# Altium PCB LPCB235R0.PcbDoc (part 2 of 7) (continued)
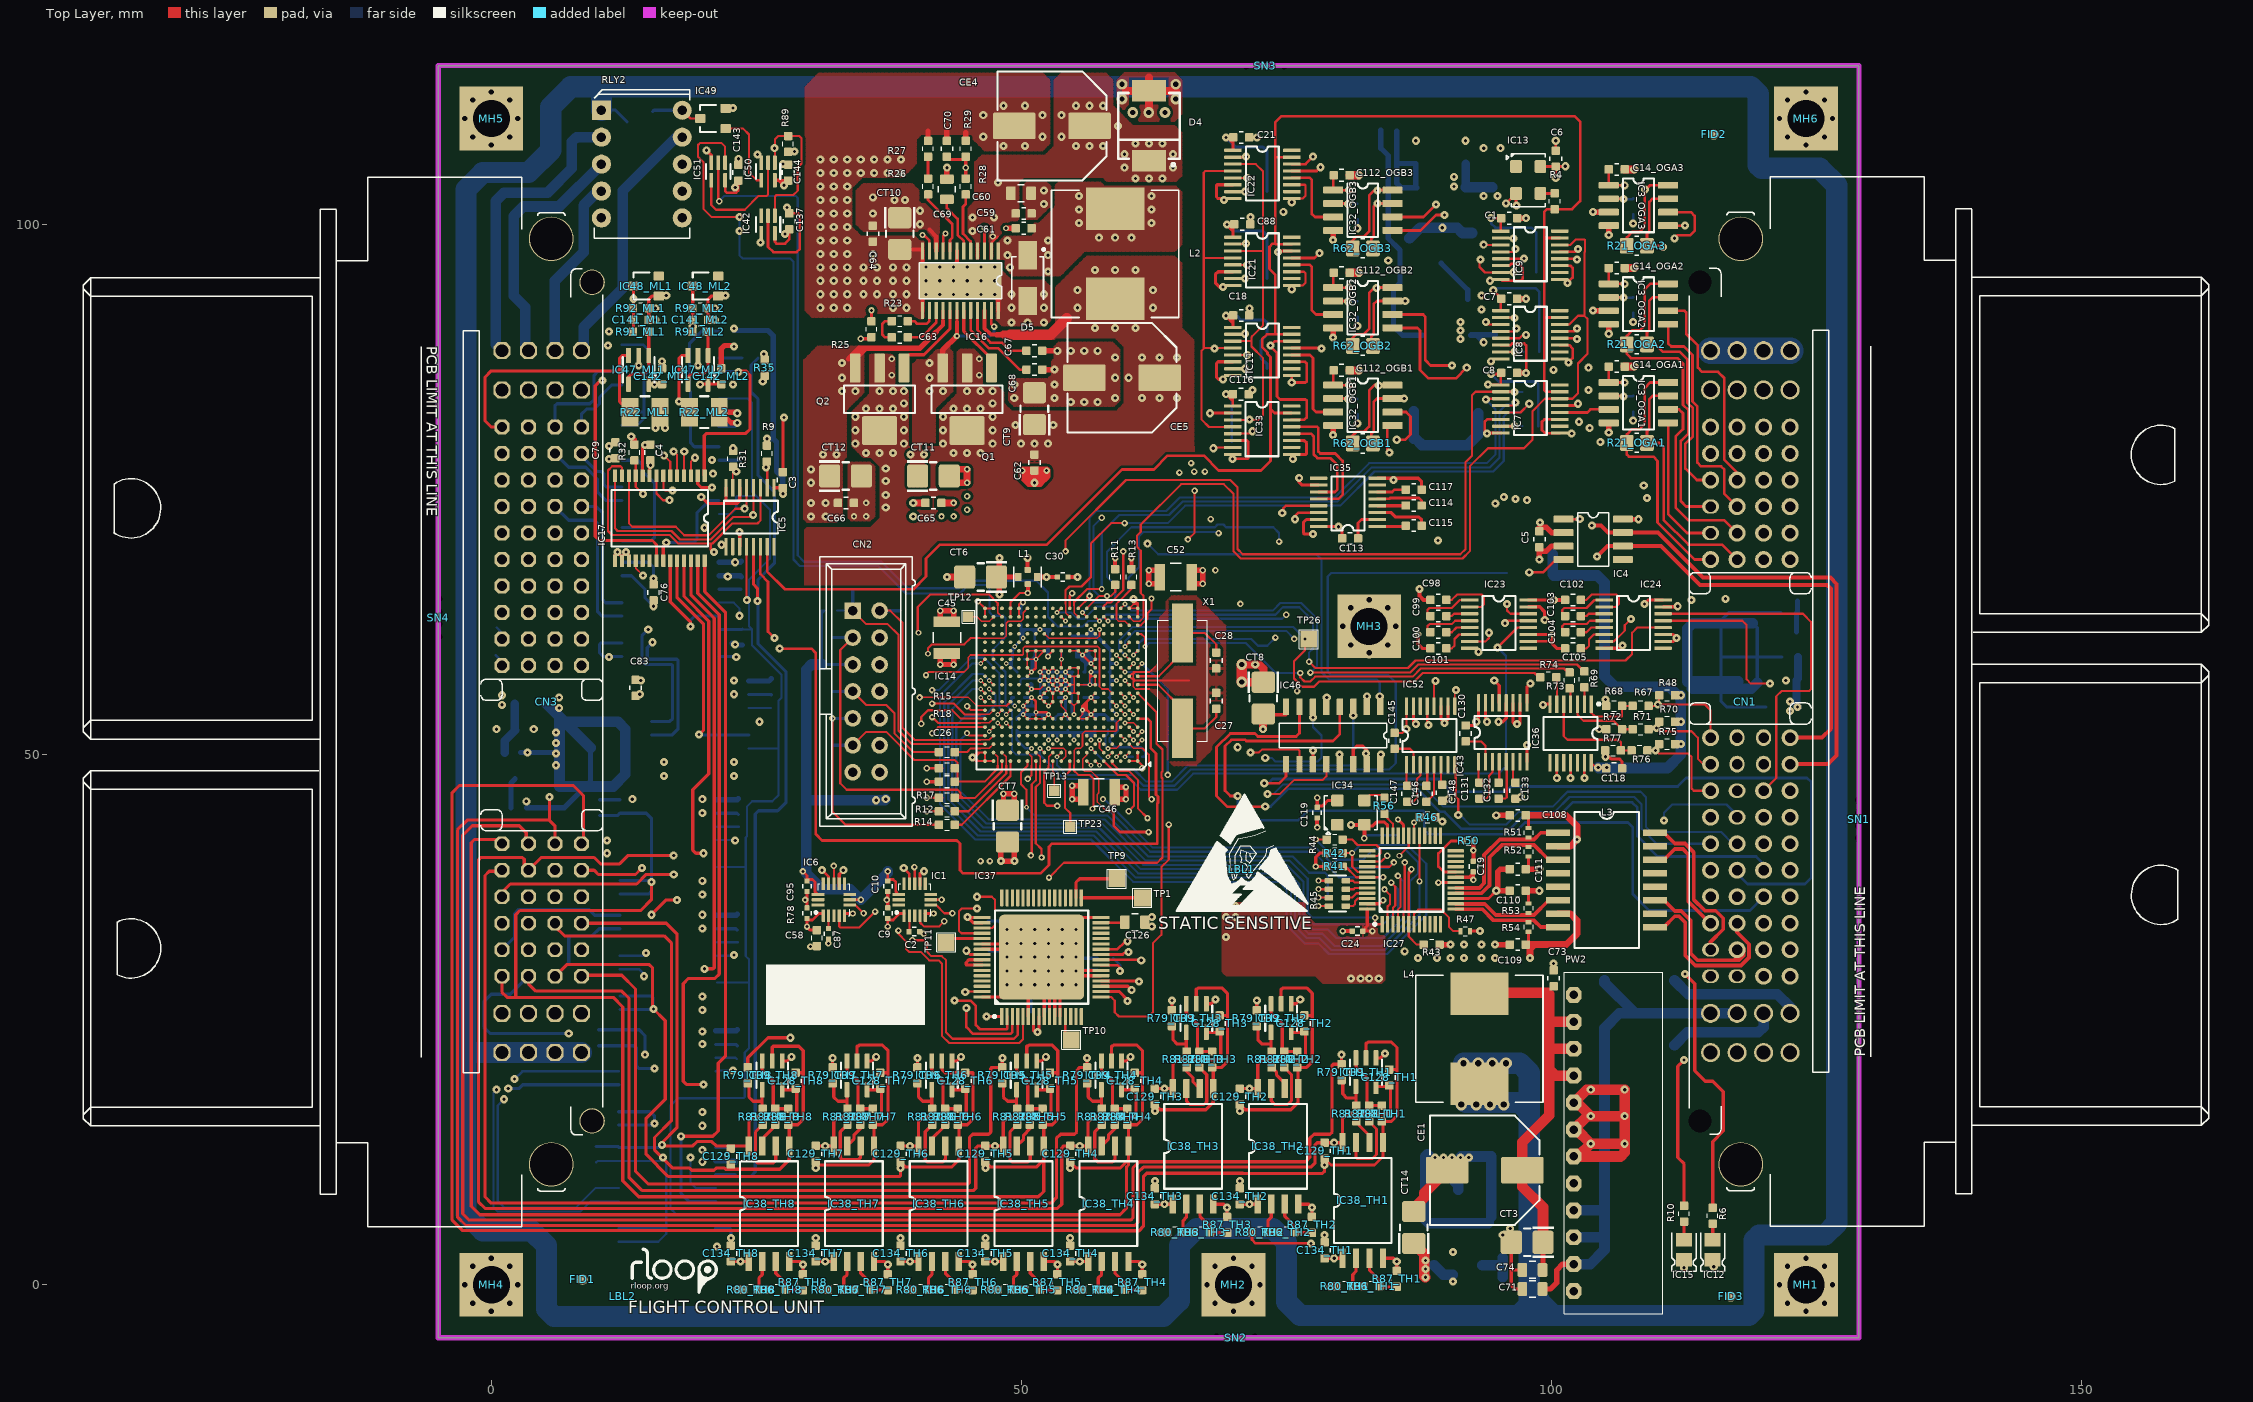
[diagram p0: Top Layer view]
## Footprints (in the part's own frame and the unit in brackets; to place one, negate y for a bottom-side part, rotate by r counter-clockwise, add the part's x,y. Pads: shape width x height; smd on the part's side, far side on the other; paste and mask are expansions set on the pad) (continued)
  silkscreen extent -8,-8.45 8,8
LFP058__F-QFP7X7-G48 [mm] "48Pin 7x7mm QFP"
  rrect25% 0.3x1.55 smd paste-0.015: 1(-2.75,-4.175) 2(-2.25,-4.175) 3(-1.75,-4.175) 4(-1.25,-4.175) 5(-0.75,-4.175) 6(-0.25,-4.175) 7(0.25,-4.175) 8(0.75,-4.175) 9(1.25,-4.175) 10(1.75,-4.175) 11(2.25,-4.175) 12(2.75,-4.175) 25(2.75,4.175) 26(2.25,4.175) 27(1.75,4.175) 28(1.25,4.175) 29(0.75,4.175) 30(0.25,4.175) 31(-0.25,4.175) 32(-0.75,4.175) 33(-1.25,4.175) 34(-1.75,4.175) 35(-2.25,4.175) 36(-2.75,4.175)
  rrect25% 1.55x0.3 smd paste-0.015: 13(4.175,-2.75) 14(4.175,-2.25) 15(4.175,-1.75) 16(4.175,-1.25) 17(4.175,-0.75) 18(4.175,-0.25) 19(4.175,0.25) 20(4.175,0.75) 21(4.175,1.25) 22(4.175,1.75) 23(4.175,2.25) 24(4.175,2.75) 37(-4.175,2.75) 38(-4.175,2.25) 39(-4.175,1.75) 40(-4.175,1.25) 41(-4.175,0.75) 42(-4.175,0.25) 43(-4.175,-0.25) 44(-4.175,-0.75) 45(-4.175,-1.25) 46(-4.175,-1.75) 47(-4.175,-2.25) 48(-4.175,-2.75)
  silkscreen extent -3.57,-4.3 3,3
LFP065__RESPACK4-0603 [mm]
  rrect25% 0.5x0.8 smd paste-0.05: 1(-1.2,-0.8) 2(-0.4,-0.8) 3(0.4,-0.8) 4(1.2,-0.8) 5(1.2,0.8) 6(0.4,0.8) 7(-0.4,0.8) 8(-1.2,0.8)
  silkscreen extent -1.7,-0.8 1.7,0.8
LFP068__SO-G16/G6.9#1 [mm] "16Pin SO"
  rrect25% 0.6x2.25 smd paste-0.05: 1(-4.445,-4.575) 2(-3.175,-4.575) 3(-1.905,-4.575) 4(-0.635,-4.575) 5(0.635,-4.575) 6(1.905,-4.575) 7(3.175,-4.575) 8(4.445,-4.575) 9(4.445,4.575) 10(3.175,4.575) 11(1.905,4.575) 12(0.635,4.575) 14(-1.905,4.575) 15(-3.175,4.575) 16(-4.445,4.575)
  rrect25% 0.6x1.8 smd paste-0.05: 13(-0.635,4.575)
  silkscreen extent -5.27,-3.05 5.27,3.05
LFP068__SO-G16/G6.9#2 [mm] "16Pin SO"
  rrect25% 0.6x2.25 smd paste-0.05: 1(-4.445,-4.575) 2(-3.175,-4.575) 3(-1.905,-4.575) 4(-0.635,-4.575) 5(0.635,-4.575) 6(1.905,-4.575) 7(3.175,-4.575) 8(4.445,-4.575) 9(4.445,4.575) 10(3.175,4.575) 11(1.905,4.575) 12(0.635,4.575) 13(-0.635,4.575) 14(-1.905,4.575) 15(-3.175,4.575) 16(-4.445,4.575)
  silkscreen extent -5.27,-3.05 5.27,3.05
LFP068__SO-G16/G6.9#3 [mm] "16Pin SO"
  rrect25% 0.6x2.25 smd paste-0.05: 1(-4.445,-4.575) 2(-3.175,-4.575) 4(-0.635,-4.575) 5(0.635,-4.575) 6(1.905,-4.575) 7(3.175,-4.575) 8(4.445,-4.575) 9(4.445,4.575) 10(3.175,4.575) 11(1.905,4.575) 12(0.635,4.575) 13(-0.635,4.575) 14(-1.905,4.575) 15(-3.175,4.575) 16(-4.445,4.575)
  rrect25% 0.6x1.8 smd paste-0.05: 3(-1.905,-4.575)
  silkscreen extent -5.27,-3.05 5.27,3.05
LFP069__R-8G [mm] "Small Outline; 8 Leads; Body Width 3.9 mm; Pitch 1.27 mm"
  rrect25% 0.65x1.9 smd paste-0.05: 1(-1.905,-2.8) 2(-0.635,-2.8) 3(0.635,-2.8) 4(1.905,-2.8) 5(1.905,2.8) 6(0.635,2.8) 7(-0.635,2.8) 8(-1.905,2.8)
  silkscreen extent -2.52,-1.45 2.52,1.45
LFP072__ASFLMB [mm]
  rrect25% 1.2x1.1 smd paste-0.1: 1(-1.27,-1.15) 2(1.27,-1.15) 3(1.27,1.15) 4(-1.27,1.15)
  silkscreen extent -2.5,-2.05 2.5,1.6
LFP076__H2019NL [mm] "16Pin SO EMAC MAGNETICS"
  rect 0.6x2.25 smd: 1(-4.445,-4.575) 2(-3.175,-4.575) 3(-1.905,-4.575) 4(-0.635,-4.575) 5(0.635,-4.575) 6(1.905,-4.575) 7(3.175,-4.575) 8(4.445,-4.575) 9(4.445,4.575) 10(3.175,4.575) 11(1.905,4.575) 12(0.635,4.575) 13(-0.635,4.575) 14(-1.905,4.575) 15(-3.175,4.575) 16(-4.445,4.575)
  silkscreen extent -6.4,-3.05 6.4,3.05
LFP079__SOP16 [mm]
  rrect10% 0.6x1.55 smd paste-0.05: 1(-4.445,-2.7) 2(-3.175,-2.7) 3(-1.905,-2.7) 4(-0.635,-2.7) 5(0.635,-2.7) 6(1.905,-2.7) 7(3.175,-2.7) 8(4.445,-2.7) 9(4.445,2.7) 10(3.175,2.7) 11(1.905,2.7) 12(0.635,2.7) 13(-0.635,2.7) 14(-1.905,2.7) 15(-3.175,2.7) 16(-4.445,2.7)
  silkscreen extent -5.08,-1.16 5.08,1.16
LFP113__FIDUCIAL [mm]
  round 1 smd paste-2 mask+1.5: 0(0,0)
LFP114__R-PDSO-G5 [mm]
  rrect25% 0.45x1.45 smd paste-0.02: 1(-0.95,-1.35) 2(0,-1.35) 3(0.95,-1.35) 4(0.95,1.35) 5(-0.95,1.35)
  silkscreen extent -1.5,-1.2 1.5,1.2
LFP117__NFM21P [mm]
  rrect25% 0.6x0.8 smd paste-0.05: 1(-0.9,0) 2(0.9,0)
  rrect25% 0.6x0.55 smd paste-0.05: G1(0.011,-0.675) G2(0,0.675)
  silkscreen extent -1.3,-0.95 1.3,0.95
LFP134__H-QFP10X10-64N [mm] "HQFP 10X10MM"
  rrect25% 0.3x1.6 smd paste-0.015: 1(-3.75,-5.6) 2(-3.25,-5.6) 3(-2.75,-5.6) 4(-2.25,-5.6) 5(-1.75,-5.6) 6(-1.25,-5.6) 7(-0.75,-5.6) 8(-0.25,-5.6) 9(0.25,-5.6) 10(0.75,-5.6) 11(1.25,-5.6) 12(1.75,-5.6) 13(2.25,-5.6) 14(2.75,-5.6) 15(3.25,-5.6) 16(3.75,-5.6) 33(3.75,5.6) 34(3.25,5.6) 35(2.75,5.6) 36(2.25,5.6) 37(1.75,5.6) 38(1.25,5.6) 39(0.75,5.6) 40(0.25,5.6) 41(-0.25,5.6) 42(-0.75,5.6) 43(-1.25,5.6) 44(-1.75,5.6) 45(-2.25,5.6) 46(-2.75,5.6) 47(-3.25,5.6) 48(-3.75,5.6)
  rrect25% 1.6x0.3 smd paste-0.015: 17(5.6,-3.75) 18(5.6,-3.25) 19(5.6,-2.75) 20(5.6,-2.25) 21(5.6,-1.75) 22(5.6,-1.25) 23(5.6,-0.75) 24(5.6,-0.25) 25(5.6,0.25) 26(5.6,0.75) 27(5.6,1.25) 28(5.6,1.75) 29(5.6,2.25) 30(5.6,2.75) 31(5.6,3.25) 32(5.6,3.75) 49(-5.6,3.75) 50(-5.6,3.25) 51(-5.6,2.75) 52(-5.6,2.25) 53(-5.6,1.75) 54(-5.6,1.25) 55(-5.6,0.75) 56(-5.6,0.25) 57(-5.6,-0.25) 58(-5.6,-0.75) 59(-5.6,-1.25) 60(-5.6,-1.75) 61(-5.6,-2.25) 62(-5.6,-2.75) 63(-5.6,-3.25) 64(-5.6,-3.75)
  rrect10% 8x8 smd paste-8: PAD(0,0)
  silkscreen extent -4.57,-5.72 4.4,4.4
LFP150__DWV0008A [mm]
  rrect10% 0.6x1.8 smd paste-0.03: 1(-1.905,-5.45) 2(-0.635,-5.45) 3(0.635,-5.45) 4(1.905,-5.45) 5(1.905,5.45) 6(0.635,5.45) 7(-0.635,5.45) 8(-1.905,5.45)
  silkscreen extent -2.72,-4 2.73,4
MOUNTING_HOLE_3MM_SQ [mm] "Non-plated mounting hole for 3mm screw"
  rect 6x6 hole 3.5 mask+0.051: MOUNT(0,0)
PW014 [mm] "Shrink Small Outline; 14 Leads; Body Width 4.4 mm; Pitch 0.65 mm"
  rect 0.3x1.65 smd: 1(-1.95,-2.775) 2(-1.3,-2.775) 3(-0.65,-2.775) 4(0,-2.775) 5(0.65,-2.775) 6(1.3,-2.775) 7(1.95,-2.775) 8(1.95,2.775) 9(1.3,2.775) 10(0.65,2.775) 11(0,2.775) 12(-0.65,2.775) 13(-1.3,2.775) 14(-1.95,2.775)
  silkscreen extent -2.77,-2.9 2.55,1.55
R-625.0P [mm]
  oct 1.5x1.5 hole 0.8: 1(0,0) 2(2.54,0) 3(5.08,0) 4(7.62,0) 5(10.16,0) 6(12.7,0) 7(15.24,0) 8(17.78,0) 9(20.32,0) 10(22.86,0) 11(25.4,0) 12(27.94,0)
  silkscreen extent -2.13,-8.4 30.07,0.9
RLOOP_LOGO [mm]
  silkscreen extent 0.89,0.39 8.82,4.45
SMD-TP [mm]
  rect 1.6x1.6 smd paste-2: 1(0,0)
  silkscreen extent -0.9,-0.9 0.9,0.9
SMD-TP-SMALL#1 [mm]
  rect 1x1 smd: 1(0,0)
  silkscreen extent -0.6,-0.6 0.6,0.6
SMD-TP-SMALL#2 [mm]
  rect 1x1 smd paste-2: 1(0,0)
  silkscreen extent -0.6,-0.6 0.6,0.6
SNAPOUT_NEW [mm]
  round 0.4 hole 0.8 unplated: 0(0,0) 0(1.2,0) 0(2.4,0) 0(3.6,0)
STATIC_LABEL [mm]
  silkscreen extent -6.16,-3.95 6.18,7.02
TQ2 [mm]
  rect 1.8x1.8 hole 0.9: 1(-5.08,-3.81)
  round 1.8 hole 0.9: 2(-2.54,-3.81) 3(0,-3.81) 4(2.54,-3.81) 5(5.08,-3.81) 6(5.08,3.81) 7(2.54,3.81) 8(0,3.81) 9(-2.54,3.81) 10(-5.08,3.81)
  silkscreen extent -7,-4.5 7,4.5

## Part data
C1 C3 C4 C5 C6 C7 C8 C11 C12 C14_OGA1 C14_OGA2 C14_OGA3 C15 C16 C18 C20 C21 C22 C23 C59 C61 C62 C64 C65 C66 C67 C68 C72 C73 C75 C76 C77 C78 C79 C80 C81 C82 C83 C84 C85 C86 C88 C90 C91 C92 C93 C94 C98 C99 C100 C101 C102 C103 C104 C105 C108 C109 C110 C111 C112_OGB1 C112_OGB2 C112_OGB3 C113 C114 C115 C116 C117 C118 C120 C121 C122 C123 C124 C125 C129_TH1 C129_TH2 C129_TH3 C129_TH4 C129_TH5 C129_TH6 C129_TH7 C129_TH8 C130 C131 C132 C133 C134_TH1 C134_TH2 C134_TH3 C134_TH4 C134_TH5 C134_TH6 C134_TH7 C134_TH8 C137 C138 C139 C140 C142_ML1 C142_ML2 C143 C144 C145 C146 C147 C148: "Capacitor, Ceramic Chip, 100nF (0.1uF), 50V, 5%, SMD 0603 [LCA016]"
C2 C9 C10 C19 C24 C29 C31 C32 C33 C34 C35 C36 C37 C38 C39 C40 C41 C42 C43 C44 C47 C48 C49 C50 C51 C53 C54 C57 C58 C87 C89 C95 C119: "Capacitor, Ceramic Chip, 100nF (0.1uF), 6.3V, 10%, SMD 0402 [LCA073]"
C13 C17 C45 C46 C52: "Capacitor, Ceramic Chip, 100uF, 6.3V, X5R, 20%, SMD 1210 [LCA097]"
C26 C27 C28 C141_ML1 C141_ML2: "Capacitor, Ceramic Chip, 10pF, 50V, 5%, SMD 0603 [LCA019]"
C30 C55 C56: "Capacitor, Ceramic Chip, 10nF (0.01uF), 25V, 5%, SMD 0402 [LCA072]"
C60 C69 C71 C74: "Capacitor, Ceramic Chip, 1uF, 50V, SMD 0805 [LCA098]"
C63: "Capacitor, Ceramic Chip, 470pF, 50V, 10% X7R, SMD 0603 [LCA111]"
C70: "Capacitor, Ceramic Chip, 1nF (1000pF), 50V, 10%, SMD 0603 [LCA015]"
C126: "Capacitor, Ceramic Chip, 4.7uF, 25V, 10%, SMD 0805 [LCA093]"
C128_TH1 C128_TH2 C128_TH3 C128_TH4 C128_TH5 C128_TH6 C128_TH7 C128_TH8: "Capacitor, Ceramic Chip, 1uF, 50V, 10% (X5R), SMD 0603 [LCA152]"
CE1: "Capacitor, Aluminum Electrolytic, 330uF, 35V, 20%, SMD (10mm x 10mm) [LCA071]"
CE4 CE5: "Capacitor, Aluminum Electrolytic, 330uF, 35V, 20%, SMD (10mm x 10mm)"
CN1 CN3: "Connector, Molex CMC, Automotive Socket, 80 Circuits, 2 Pockets"
CN2: "Connector, Box Header, 14 Way, 2.54mm Straight, PTH"
CT1 CT2 CT3 CT6 CT7 CT8 CT9 CT10 CT11 CT12 CT13 CT14: "Capacitor, Tantalum, 22uF, 16V, 10%, SMD TC3528 (BCASE) [LCA039]"
D1 D2 D6 D7 D11 D12 D17: "Diode, Small Signal, SMD SOD-323F [LIC345]"
D3 D4 D9: "Diode, General Purpose Rectifier, 3A, 200V, SMD DO-214AB [LIC189]"
D5: "Diode, Schottky Rectifier, 60V, 1A, SMD DO-214AC [LIC367]"
D10: "Diode, Small Signal, 0.2A, 85V, SMD SOT-23 [LIC006]"
FID1 FID2 FID3: "SMD Device Fiducial"
IC1 IC6: "IC, Accelerometer, 3-Axis, 3.3V, I2C, SMD QFN16 [LIC393]"
IC2 IC19 IC45: "IC, Voltage Regulator, 400mA, 3.3V LDO, SMD DPAK [LIC233]"
IC3_OGA1 IC3_OGA2 IC3_OGA3 IC32_OGB1 IC32_OGB2 IC32_OGB3: "IC, RS422 Tx Rx, SMD SOIC 8"
IC4: "IC, High Speed CAN Transceiver, SMD SOIC8 [LIC105]"
IC5 IC7 IC8 IC9 IC11 IC21 IC22 IC33: "IC, SPI to UART bridge [LIC472]"
IC10 IC20: "IC, Voltage Regulator, 400mA, 5V LDO, SMD DPAK [LIC328]"
IC12 IC15: "LED, SMD, 0805 Green [LIC016]"
IC13: "IC, Oscillator Module, 1.8432MHz, 3.3V, SMD [LIC508]"
IC14: "IC, CPU, RM48 Safety CPU, SMD NFBGA337 [LIC278]"
IC16: "IC, Power Management IC, SMD [LIC364]"
IC17: "IC, SPI IO Expander, 16bit, SMD SSOP28 [LIC289]"
IC18 IC25 IC26 IC28 IC29 IC30 IC31 IC40: "IC, RS485 Isolator, SMD SOIC 16 [LIC543]"
IC23 IC24 IC35 IC43: "IC, RS232 Line Driver, 3.3V, SMD TSSOP16 [LIC165]"
IC27: "IC, Ethernet Transceiver, Precision Real Time Protocol, SMD LQFP48 [LIC374]"
IC34: "IC, Oscillator Module, 25MHz, 3.3V, SMD [LIC388]"
IC36: "IC, Hex Inveter, Schmitt Trigger, SMD [LIC160]"
IC37: "IC, ADC / DAC, SMD [LIC550]"
IC38_TH1 IC38_TH2 IC38_TH3 IC38_TH4 IC38_TH5 IC38_TH6 IC38_TH7 IC38_TH8: "IC, Isolation Amplifier, SMD SOIC8 [LIC549]"
IC39_TH1 IC39_TH2 IC39_TH3 IC39_TH4 IC39_TH5 IC39_TH6 IC39_TH7 IC39_TH8 IC47_ML1 IC47_ML2: "IC, OpAmp, 1-Channel, Low Noise, SMD SOT-23-5 [LIC570]"
IC42: "IC, Watchdog, SMD [LIC580]"
IC46: "IC, Multiplexer Select 2-1 [LIC525]"
IC48_ML1 IC48_ML2: "Diode, Zener, 3.6V, 0.225W, SMD [LIC083]"
IC49: "IC, Relay Driver, 28V Industrial, SMD SOT23 [LIC292]"
IC50 IC51: "IC, Logic OR Gate, Single 2 Input, SMD SOT353 [LIC336]"
IC52: "IC, RS232 Line Driver, 3.3V, SMD TSSOP16"
L1: "Ferrite, EMI/RFI Suppression, SMD 0805 [LIN017]"
L2 L4: "Inductor, 10uH, 20%, 5.7A, SMD [LIN031]"
L3: "Transformer, Signal Transformers, SMD [LIN032]"
MH1 MH2 MH3 MH4 MH5 MH6: "3MM Mouting Hole, Square"
PW2: "Non Isolated DC/DC Module"
Q1 Q2: "Transistor, NPN, 20V 8A 770mW 95MHz, SMD [LIC366]"
R1 R2 R7 R8 R9 R12 R16 R17 R18 R19 R20 R24 R25 R30 R31 R32 R40 R55 R58 R59 R60 R61 R64 R65 R78 R79_TH1 R79_TH2 R79_TH3 R79_TH4 R79_TH5 R79_TH6 R79_TH7 R79_TH8 R80_TH1 R80_TH2 R80_TH3 R80_TH4 R80_TH5 R80_TH6 R80_TH7 R80_TH8 R81_TH1 R81_TH2 R81_TH3 R81_TH4 R81_TH5 R81_TH6 R81_TH7 R81_TH8 R82_TH1 R82_TH2 R82_TH3 R82_TH4 R82_TH5 R82_TH6 R82_TH7 R82_TH8 R87_TH1 R87_TH2 R87_TH3 R87_TH4 R87_TH5 R87_TH6 R87_TH7 R87_TH8 R88_TH1 R88_TH2 R88_TH3 R88_TH4 R88_TH5 R88_TH6 R88_TH7 R88_TH8 R89: "Resistor, Ceramic Chip, 10K, 0.1W, 1%, SMD 0603 [LRE030]"
R3: "Resistor, Ceramic Chip, 121R, 0.33W, 1%, SMD 1210 [LRE077]"
R4 R13 R14 R15 R44 R56: "Resistor, Ceramic Chip, 47R, 0.1W, 1%, SMD 0603 [LRE037]"
R5 R6 R10 R39_OGA1 R39_OGA2 R39_OGA3 R41 R42 R43 R46 R48 R63_OGB1 R63_OGB2 R63_OGB3 R67 R69 R70 R71 R73 R74 R75 R76: "Resistor, Ceramic Chip, 2.2K, 0.1W, 1%, SMD 0603 [LRE027]"
R11: "Resistor, Ceramic Chip, 4K7, 0.1W, 1%, SMD 0603 [LRE058]"
R21_OGA1 R21_OGA2 R21_OGA3 R62_OGB1 R62_OGB2 R62_OGB3: "Resistor, Thick Film, 120R, 0.25W, 5%, SMD 0805 [LRE190]"
R22_ML1 R22_ML2: "Resistor, Ceramic Chip, 162R, 0.33W, 1%, SMD 1210 [LRE228]"
R23 R26 R28: "Resistor, Ceramic Chip, 30K, 0.1W, 1%, SMD 0603 [LRE120]"
R27: "Resistor, Ceramic Chip, 18K, 0.1W, 1%, SMD 0603 [LRE176]"
R29: "Resistor, Ceramic Chip, 5.6K, 0.1W, 1%, SMD 0603 [LRE028]"
R33 R34 R35 R36 R37 R38 R49 R57: "Resistor, Ceramic Chip, 1K0, 0.063W, 1%, SMD 0603 [LRE106]"
R45: "Resistor, Array, 49.9R, 0.063W, 1%, SMD 0603 [LRE142]"
R47: "Resistor, Ceramic Chip, 10K, 0.0625W, 1%, SMD 0402 [LRE147]"
R50 R84 R85: "Resistor, Ceramic Chip, 4.75K, 0.0625W, 1%, SMD 0402 [LRE144]"
R51 R52 R53 R54: "Resistor, Ceramic Chip, 49.9R, 0.0625W, 0.5%, SMD 0402 [LRE093]"
R68 R72 R77: "Resistor, Thick Film, 330R, 0.100W, 75V, 1%, SMD 0603 [LRE219]"
R86_TH1 R86_TH2 R86_TH3 R86_TH4 R86_TH5 R86_TH6 R86_TH7 R86_TH8: "Resistor, Thick Film, 2.7K, 0.100W, 75V, 1%, SMD 0603 [LRE220]"
R91_ML1 R91_ML2: "Resistor, Ceramic Chip, 1.78K, 0.1W, 1%, SMD 0603 [LRE167]"
R92_ML1 R92_ML2: "Resistor, Ceramic Chip, 3.3K0, 0.1W, 1%, SMD 0603 [LRE140]"
RLY2: "Relay, DPDT, Non Latching, 12VDC Coil, 2A Rating, PTH"
TP1 TP2 TP3 TP4 TP5 TP6 TP7 TP8 TP9 TP10 TP11 TP12 TP13 TP14 TP15 TP16 TP17 TP18 TP19 TP20 TP21 TP22 TP23 TP24 TP25 TP26 TP36 TP37 TP38 TP47 TP48 TP49: "SMD Test Point"
X1: "Crystal, 10MHz, 18pF, SMD [LIC110]"

## Via types
v1: diameter 0.762, hole 0.3, Top Layer to Bottom Layer, tented both sides, 756 vias
v2: diameter 0.61, hole 0.3, Top Layer to Bottom Layer, tented both sides, 135 vias
v3: diameter 0.457, hole 0.2, Top Layer to Bottom Layer, tented both sides, 98 vias
v4: diameter 1.016, hole 0.5, Top Layer to Bottom Layer, tented both sides, 57 vias
v5: diameter 0.6, hole 0.3, Top Layer to Bottom Layer, 30 vias
v6: diameter 0.559, hole 0.3, Top Layer to Bottom Layer, tented both sides, 24 vias
v7: diameter 0.6, hole 0.3, Top Layer to Bottom Layer, tented both sides, 18 vias
v8: diameter 1.1, hole 0.6, Top Layer to Bottom Layer, 8 vias

## Nets (pads, with @x,y where several pads share a name; then routed paths per layer and width w, separated by ;. In a path a pad name is that pad's centre, name@x,y a point inside that pad or via, vN(x,y) a via of type N, cw(c..) or ccw(c..) an arc to the next point about the centre after c; other vN are vias at no path point)
ASI_23S17_NCS: IC14.H16 IC17.11 R32.1 | length 66.9
  Top Layer w0.152: v2(40.4,55.4) 45,55.4 45.804,54.596 48.596,54.596 48.6,54.6
  Top Layer w0.203: R32.1@13.6,77.75 13.625,77.725 IC17.11@13.625,76.3 13.625,75.275 v1(14.3,74.6) ; 48.6,54.6 48.965,54.965 IC14.H16@48.965,54.995
  MidLayer2 w0.152: 24.1,80 25.2,80 25.265,79.935 25.265,75.835 25.7,75.4 25.7,66.603 25.903,66.4 31.2,66.4 32.2,65.4 32.2,57.8 32.9,57.1 38.3,57.1 40,55.4 v2(40.4,55.4)
  MidLayer2 w0.203: v1(14.3,74.6) 13.6,75.3 13.6,79.4 14.2,80 24.1,80
ASI_23S17_NRST: IC14.E19 IC17.18 | length 83.7
  Top Layer w0.152: IC17.18@13.625,68.3 13.625,67.575 v1(14.3,66.9)
  Top Layer w0.203: v2(41.573,52.023) 42.145,52.595 IC14.E19@46.565,52.595
  MidLayer2 w0.152: v1(14.3,66.9) 13.6,67.6 13.6,72.3 15,73.7 15,76.1 15.8,76.9 15.8,77.667 15.4,78.067 15.4,78.8 16.2,79.6 21.1,79.6
  MidLayer2 w0.203: 21.1,79.6 22.3,78.4 22.3,72.3 19.9,69.9 19.9,68.2 20.4,67.7 22.334,67.7 23,67.034 23,64.5 23.7,63.8 28.7,63.8 28.9,63.6 28.9,47.4 29.4,46.9 38.2,46.9 38.6,47.3 38.6,49.05 v2(41.573,52.023)
ASI_MISO: IC5.4 IC14.G18 IC17.14 | length 61.9
  Top Layer w0.152: 46.145,53.795 46.965,53.795 IC14.G18@47.365,54.195
  Top Layer w0.203: IC17.14@11.675,76.3 11.675,71.325 11.9,71.1 17,71.1 17.8,70.3 20.7,70.3 22.8,72.4 24.3,72.4 24.725,72.825 IC5.4@24.725,75.175 ; v2(41.573,54.817) 43.605,54.817 44.627,53.795 46.145,53.795
  MidLayer2 w0.203: v1(24.7,72.6) 25.1,72.2 25.1,66.7 26,65.8 30.3,65.8 30.7,65.4 30.7,55 31,54.7 41.456,54.7 v2(41.573,54.817)
ASI_MOSI: IC5.3 IC14.F19 IC17.13 | length 75.2
  Top Layer w0.203: IC17.13@12.325,76.3 12.325,77.075 12.2,77.2 11.4,77.2 11,76.8 11,71.1 11.381,70.719 16.842,70.719 17.642,69.919 20.7,69.919 ; v1@20.7,69.3 20.7,69.919 ; IC5.3@25.375,75.175 25.375,72.075 25.1,71.8 22.739,71.8 20.858,69.919 20.7,69.919 ; v2(40.557,52.912) 40.557,53.547 41.192,54.182 43.478,54.182 44.265,53.395 IC14.F19@46.565,53.395
  MidLayer2 w0.203: v1(21,69.1) 20.7,69.4 20.7,69.9 21.6,70.8 21.9,70.8 23.8,68.9 23.8,66.8 26.2,64.4 29.2,64.4 29.7,63.9 29.7,50.4 30.5,49.6 37.245,49.6 v2(40.557,52.912)
ASI_SCLK: IC5.5 IC14.F18 IC17.12 | length 62.8
  Top Layer w0.152: 46.145,52.995 46.965,52.995 IC14.F18@47.365,53.395
  Top Layer w0.203: IC17.12@12.975,76.3 12.975,71.825 13.3,71.5 17.4,71.5 18.2,70.7 20.5,70.7 23,73.2 v1(23.9,73.2) 24.075,73.375 IC5.5@24.075,75.175 ; v2(41.573,53.547) 42.125,52.995 46.145,52.995
  MidLayer2 w0.203: v1(23.9,73.2) 23.9,71.8 24.5,71.2 24.5,66.7 25.8,65.4 29.9,65.4 30.2,65.1 30.2,52.6 30.6,52.2 37.9,52.2 39.247,53.547 v2(41.573,53.547)
ASI_SER_NCS: IC5.2 IC14.G16 R9.1 | length 49.1
  Top Layer w0.152: v3(48.565,53.795) IC14.G16@48.965,54.195
  Top Layer w0.203: v1(25.9,77.1) 26.025,76.975 IC5.2@26.025,75.175
  MidLayer2 w0.203: v1(25.9,77.1) 26.2,76.8 26.2,66.9 26.3,66.8 31.5,66.8 32.6,65.7 32.6,60.2 33,59.8 38.2,59.8 38.7,59.3 38.7,57.9 39.4,57.2 40.513,56.087 v2(41.573,56.087)
  Bottom Layer w0.203: v2(41.573,56.087) 42.208,56.087 45.256,59.135 46.465,59.135 47.923,57.677 47.923,54.437 v3(48.565,53.795)
ASI_SER_NIRQ: IC5.7 IC14.F1 R31.1 | length 97.8
  Top Layer w0.152: IC5.7@22.775,75.175 22.775,77.125 R31.1@22.8,77.15
  Top Layer w0.25: v1(27.2,60) 30.2,60 30.6,59.6 30.6,42.5 31.2,41.9 43.9,41.9 44.2,41.6 44.2,39.1 44.5,38.8 51.8,38.8 52.6,39.6 52.6,41.3 52.9,41.6 62.8,41.6 62.8,45.385 62.882,45.467 62.882,46.052 62.7,46.233 62.7,50.1 62.2,50.6 62.2,53.1 61.905,53.395 IC14.F1@60.965,53.395
  MidLayer1 w0.25: v1(23.1,76.7) 22.4,76.7 21.5,75.8 21.5,71.3 19.7,69.5 19.7,68.2 20.7,67.2 20.7,62.2 21.2,61.7 24.4,61.7 24.7,61.4 24.7,60.5 25.2,60 v1(27.2,60)
ASI_SER_NRST: IC5.14 IC14.J4 | length 50.6
  Top Layer w0.152: v2(41,57.5) 41,57.6 41.2,57.8 44.6,57.8 45,58.2 45,59.2 45.196,59.396 49.13,59.396 49.134,59.4 49.596,59.4 49.6,59.396 50.096,59.396 50.164,59.464 50.164,60.064 50.296,60.196 52.33,60.196 52.334,60.2 52.796,60.2 52.8,60.196 57.204,60.196 57.366,60.034 57.366,56.43 57.6,56.196 58.164,56.196 IC14.J4@58.565,55.795
  Top Layer w0.25: IC5.14@25.375,69.625 25.375,67.025 26.1,66.3 26.1,61.6 v1(26.7,61)
  MidLayer1 w0.25: v1(26.7,61) 29.4,61 29.8,60.6 29.8,57.7 30.4,57.1 37.9,57.1 38.3,57.5 v2(41,57.5)
B1_G210_DIR: CN1.2G_B IC46.4 | length 81.6
  Top Layer w0.25: v1(70.4,46.1) 69.7,46.1 69.2,46.6 69.2,50.8 69.8,51.4 71.1,51.4 71.216,51.284 79.384,51.284 80.035,51.935 IC46.4@80.035,54.5
  Bottom Layer w0.25: v1(70.4,46.1) 70.4,44.2 70.8,43.8 76.1,43.8 77,44.7 87.9,44.7 88,44.6 88,42.9 88.4,42.5 96.4,42.5 97.5,43.6 107.2,43.6 107.668,43.132 107.668,36.832 109.2,35.3 118.7,35.3 CN1.2G_B@120,36.6
B1_G210_STEP: CN1.3F_B IC46.9 | length 73.6
  Top Layer w0.25: v1@72.7,47.3 v1(72.9,47.3) 74.3,47.3 74.955,47.955 IC46.9@74.955,49.1
  Bottom Layer w0.25: v1(72.9,47.3) 73.3,47.3 73.7,47.7 89.367,47.7 90.567,46.5 95.7,46.5 96.2,47 111.9,47 112.7,47.8 124.1,47.8 124.5,47.4 124.5,38.4 123.9,37.8 118.5,37.8 117.5,38.8 CN1.3F_B@117.5,39.1
B1_SW_EXT: IC14.C2 IC43.12 | length 50.5
  Top Layer w0.152: IC14.C2@60.165,50.995 60.565,50.595 61.416,50.595
  Top Layer w0.203: 61.416,50.595 62.02,49.991 62.02,46.054 v2(62.274,45.8)
  Top Layer w0.3: v1(95,53.1) 95.4,53.1 95.725,53.425 IC43.12@95.725,54.875
  MidLayer1 w0.203: v2(62.274,45.8) 62.274,49.274 63.5,50.5 63.5,53 64.1,53.6 76.3,53.6 77.4,54.7 94.7,54.7 95,54.4 v1(95,53.1)
  MidLayer2 w0.203: v2@62.147,45.8 v2(62.274,45.8) 62.274,45.673 v2@62.223,45.622
B1_SW_RET: IC14.A5 IC43.9 | length 56.3
  Top Layer w0.203: IC14.A5@57.765,49.395 59.074,48.086 59.861,48.086 60.623,47.324 60.623,45.165 v2(60.115,44.657)
  Top Layer w0.3: IC43.9@97.675,54.875 97.675,56.375 v1(98,56.7)
  MidLayer1 w0.203: v2(60.115,44.657) 60.257,44.657 60.7,45.1 60.7,49.1 63.056,51.456 63.056,53.456 63.744,54.144 76.144,54.144 78.5,56.5 85.9,56.5 87.1,55.3 97.3,55.3 98,56 v1(98,56.7)
B2_G210_DIR: CN1.2F_B IC46.7 | length 75.8
  Top Layer w0.25: v1(73,45.1) 69.4,45.1 68.4,46.1 68.4,50.7 69.7,52 72.01,52 72.298,51.712 75.912,51.712 76.225,52.025 IC46.7@76.225,54.5
  Bottom Layer w0.25: v1(73,45.1) 73.5,45.1 75.196,46.796 87.304,46.796 89.5,44.6 89.9,44.6 91.504,42.996 96.096,42.996 97.296,44.196 100.696,44.196 102,45.5 107.6,45.5 108.096,45.004 108.096,42.304 110,40.4 119.3,40.4 120.2,39.5 CN1.2F_B@120.2,39
B2_G210_STEP: CN1.3E_B IC46.12 | length 57.2
  Top Layer w0.203: v1(73.2,46.3) 74.4,46.3 75.7,47.6 78.4,47.6 78.765,47.965 IC46.12@78.765,49.1
  Bottom Layer w0.203: v1(73.2,46.3) 73.8,46.3 74.7,47.2 87.7,47.2 89.8,45.1 100.1,45.1 101.5,46.5 108.4,46.5 108.9,46 108.9,43.2 109.4,42.7 116,42.7 117.1,41.6 CN1.3E_B@117.5,41.6
B2_SW_EXT: IC14.V7 IC52.12 | length 58.7
  Top Layer w0.152: v3(55.765,63.395) IC14.V7@56.165,62.995
  Top Layer w0.203: IC52.12@88.925,54.575 88.925,56.825 v1(89.063,56.963) v1@89.2,57.1
  MidLayer1 w0.203: v2(74.3,70.1) 74.4,70 88.697,70 88.897,70.2 v1(89.3,70.2)
  MidLayer2 w0.25: v1(89.063,56.963) 89.063,69.963 v1(89.3,70.2)
  Bottom Layer w0.203: v3(55.765,63.395) 56.712,64.342 58.464,64.342 58.845,64.723 58.845,65.993 58.083,66.755 58.083,69.168 60.369,71.454 68.254,71.454 68.5,71.7 69.054,71.7 69.3,71.454 ; 69.5,71.454 69.3,71.454 ; v2(74.3,70.1) 74.3,70.9 73.746,71.454 69.3,71.454
B2_SW_RET: IC14.B3 IC52.9 | length 40.5
  Top Layer w0.152: v3(58.965,49.795) IC14.B3@59.365,50.195 ; IC52.9@90.875,54.575 90.875,55.975 v1(91,56.1)
  MidLayer1 w0.2: v3(58.965,49.795) 58.965,49.965 59.4,50.4 61.2,50.4 62.3,51.5 62.3,53.3 64.1,55.1 76.5,55.1 76.7,55.3 76.7,55.8 78.8,57.9 90.5,57.9 91,57.4 v1(91,56.1)
BFAIL_C1: CN3.2M_B RLY2.3 | length 23.6
  Bottom Layer w1: CN3.2M_B@3.5,88.1 3.2,88.4 3.2,92.2 2.1,93.3 2.1,100.8 3,101.7 6.39,101.7 RLY2.3@10.39,105.7
BFAIL_C2: CN3.1L_B RLY2.8 | length 42.5
  MidLayer1 w1: CN3.1L_B@0.9,84.5 -2.1,84.5 -3,85.4 -3,94.4 -2.2,95.2 6.8,95.2 8.8,97.2 11.5,97.2 12.4,98.1 12.4,104.1 14,105.7 RLY2.8@18.01,105.7
BFAIL_NC1: CN3.1M_B RLY2.2 | length 28.3
  Bottom Layer w1: CN3.1M_B@1,88.1 0.4,88.7 0.4,102.2 1.2,103 5.3,103 7.6,105.3 7.6,107.8 8.04,108.24 RLY2.2@10.39,108.24
BFAIL_NC2: CN3.4M_B RLY2.9 | length 24.4
  Bottom Layer w1: CN3.4M_B@8.5,88.1 8.7,88.3 8.7,90.3 12.4,94 12.4,103.2 17.44,108.24 RLY2.9@18.01,108.24
BFAIL_NO1: CN3.3M_B RLY2.4 | length 17.1
  Bottom Layer w1: CN3.3M_B@6,88.1 6,94.7 8.7,97.4 8.7,101.8 10.06,103.16 RLY2.4@10.39,103.16
BFAIL_NO2: CN3.2L_B RLY2.7 | length 39.6
  MidLayer1 w1: CN3.2L_B@3.5,84.4 3.5,85.7 ; 3.5,85.778 3.5,85.7 ; RLY2.7@18.01,103.16 15.36,103.16 14.3,102.1 14.3,95.7 11.2,92.6 10.6,92 -0.9,92 -1.7,91.2 -1.7,87.3 -0.7,86.3 2.9,86.3 3.5,85.7
BRAKE1_DIR: IC14.B6 IC46.3 | length 31.8
  Top Layer w0.152: v3(56.565,50.595) IC14.B6@56.965,50.195
  Bottom Layer w0.203: v3(56.565,50.595) 58.566,48.594 60.623,48.594 61.766,47.451 64.179,47.451 65.703,48.975 80.975,48.975 81.3,49.3 v1(81.3,53.7)
BRAKE1_STEP: IC14.N3 IC46.10 | length 34.7
  Top Layer w0.152: v3(58.965,59.395) IC14.N3@59.365,58.995
  Top Layer w0.2: v1(71.6,50.2) 72.4,50.2 72.7,50.5 76.1,50.5 76.225,50.375 IC46.10@76.225,49.1
  MidLayer2 w0.152: 59.886,50.886 59.914,50.886 60.7,50.1 61.3,50.1
  MidLayer2 w0.2: 59.314,50.886 59.886,50.886 ; 61.3,50.1 68.6,50.1 69.3,49.4 70.8,49.4 71.5,50.1 v1(71.6,50.2)
  MidLayer2 w0.203: v3(58.965,59.395) 59.56,58.8 59.56,58.36 58.3,57.1 58.3,56.5 58.6,56.2 61.7,56.2 62,55.9 62,54.203 60.5,52.703 60.191,52.703 59.975,52.487 59.555,52.487 59.542,52.5 59.1,52.5 58.9,52.3 58.9,51.3 59.314,50.886
BRAKE1_SW_EXT: CN1.1D_B IC43.13 | length 43.2
  Top Layer w0.3: v1(94.6,57) 95.075,56.525 IC43.13@95.075,54.875
  MidLayer1 w0.3: v1(94.6,57) 94.6,57.5 95,57.9 110.7,57.9 111.1,57.5 111.1,46.2 112,45.3 121.3,45.3 CN1.1D_B@122.5,44.1
BRAKE1_SW_RET: CN1.2D_B IC43.8 | length 42.3
  Top Layer w0.3: IC43.8@97.675,49.325 97.675,50.875 v1(97.7,50.9)
  MidLayer1 w0.3: v1(97.7,50.9) 99.7,50.9 100.2,51.4 100.2,57 100.5,57.3 108.7,57.3 108.9,57.1 108.9,49.1 110.5,47.5 110.5,45.2 112.8,42.9 118.8,42.9 CN1.2D_B@120,44.1
BRAKE2_DIR: IC14.H4 IC46.6 | length 30.2
  Top Layer w0.152: IC14.H4@58.565,54.995 v3(58.965,54.595)
  MidLayer2 w0.152: 59.01,50.55 59.264,50.296 59.963,50.296 ; 59.988,50.296 60.674,49.61 61.029,49.61
  MidLayer2 w0.203: v3(58.965,54.595) 58.337,53.967 58.337,51.223 59.01,50.55 ; 61.029,49.61 67.69,49.61 68.8,48.5 71.8,48.5 v1(73,49.7)
  Bottom Layer w0.203: v1(73,49.7) 73.6,49.7 73.944,49.356 77.956,49.356 78.3,49.7 78.3,51.8 77.5,52.6 v1(77.5,53.5)
BRAKE2_STEP: IC14.D3 IC46.13 | length 23.8
  Top Layer w0.152: IC14.D3@59.365,51.795 v3(59.765,51.395)
  MidLayer1 w0.203: v1(70.4,50.7) 70.4,49.4 70.8,49 79.4,49 80,49.6 v1(80,50)
  MidLayer2 w0.152: 60.033,51.241 59.765,51.241 v3(59.765,51.395) 59.879,51.395 60.775,50.499 61.029,50.499
  MidLayer2 w0.203: 61.029,50.499 v1@70.529,50.499